# Altium PCB PCB-ZB206B-0B.PcbDoc (part 1 of 7) (continued)
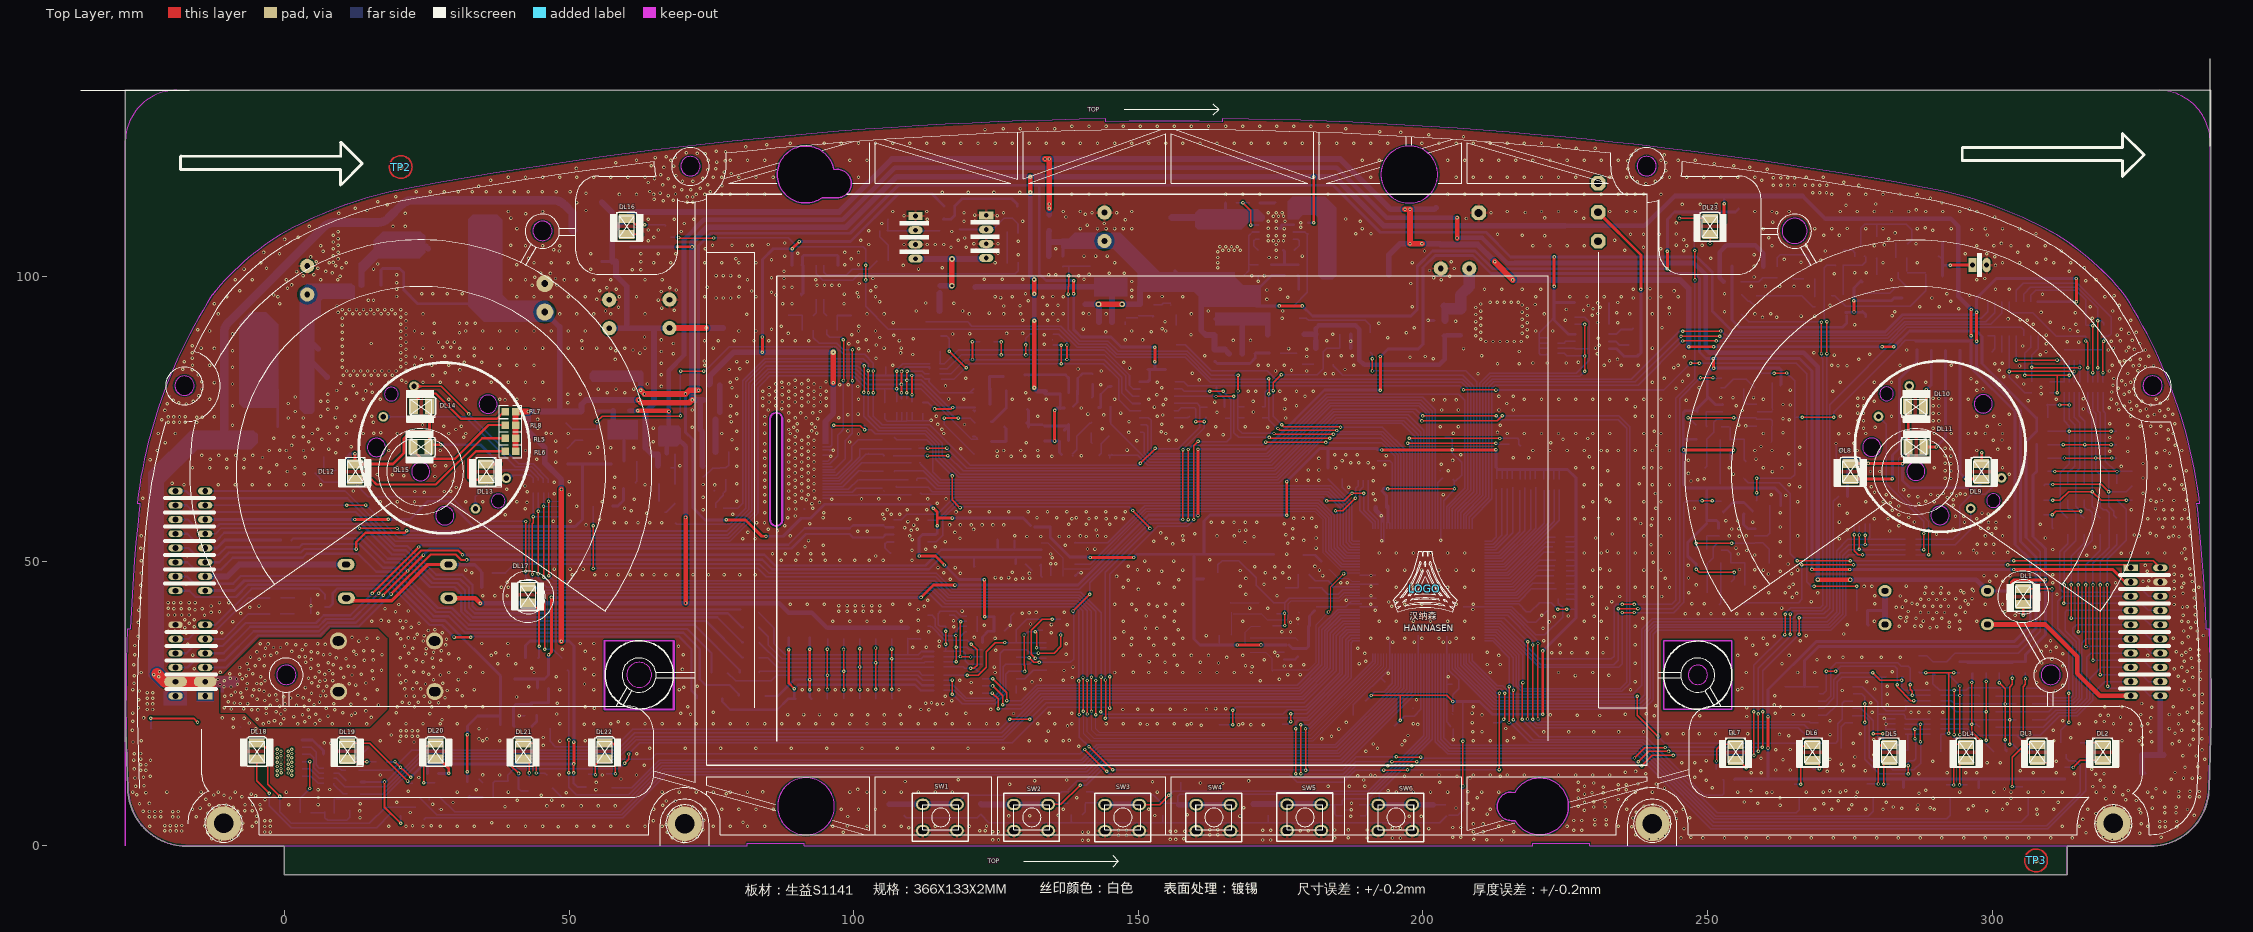
[diagram p0: Top Layer view]
## Components (designator, comment, footprint, x,y, rotation, side; value= is the part's Value field where it differs from the comment) (continued)
L302 "33uH" Ind-R13-7-100 156.39,111.04 r270 bottom locked
LOGO "TP" LOGO 200.33,45.2 r0 top
M1 "METER" METER2 37.56,60.62 r135 bottom locked
M2 "METER" METER2 300.26,60.67 r135 bottom locked
Q1 "DTC143" SOT23 44.31,22.91 r180 bottom
Q2 "DTC143" SOT23 66.76,58.58 r180 bottom
Q3 "DTC143" SOT23 59.55,62.79 r90 bottom
Q4 "dtc143" SOT-23 256.47,79.87 r180 bottom
Q5 "dtc143" SOT-23 256.304,58.28 r180 bottom
Q6 "BCX53" SOT89 255.82,99.09 r180 bottom
Q7 "PMBT5551" SMT3 283.19,98.27 r0 bottom
Q8 "NTF2955T1G" SOT-223#1 147.69,92.06 r180 bottom
Q9 "PMBT5551" SMT3 268.84,99.68 r180 bottom
Q10 "MMBT5401" SMT3 285.12,105.67 r180 bottom
Q11 "PMBT5551" SOT23 274.71,66.11 r180 bottom
Q12 "PMBT5551" SOT23 9.073,66.002 r90 bottom
Q13 "DTC143" SOT23 143.06,76.96 r180 bottom
Q14 "BCX53" SOT89 139.26,79.35 r180 bottom
Q15 "PMBT5551" SMT3 277.8,103.54 r180 bottom
Q16 "DTC143" SOT23 143.02,68.56 r180 bottom
Q17 "BCX53" SOT89 139.19,71.12 r180 bottom
Q18 "DTC143EKA" SMT3 49.657,30.988 r180 bottom
Q19 "DTB143" SOT23 77.53,64.39 r180 bottom
Q20 "DTC143EK" SOT23 178.308,92.71 r180 bottom
Q21 "NTF2955T1G" SOT-223#2 78.01,69.22 r180 bottom
Q22 "DTC143EK" SOT23 156.67,93.32 r180 bottom
Q23 "DTC143EKA" SMT3 24.45,4.62 r180 bottom
Q24 "DTC143EKA" SMT3 67.93,106.88 r180 bottom
Q25 "DTC143EKA" SMT3 23.75,8.48 r180 bottom
Q26 "NTF2955T1G" SOT-223#1 170.558,86.457 r180 bottom
Q27 "DTC143EK" SOT23 178.765,84.582 r180 bottom
Q28 "DTC143EKA" SMT3 27.31,8.56 r180 bottom
Q29 "DTC143EKA" SMT3 252.84,11.55 r180 bottom
Q30 "DTC143EKA" SMT3 266.05,8.54 r180 bottom
Q31 "DTC143EKA" SMT3 47,10.19 r180 bottom
Q32 "DTC143EKA" SMT3 279.13,8.58 r180 bottom
Q33 "DTC143EKA" SMT3 57.96,10.3 r180 bottom
Q34 "DTC143EKA" SMT3 292.7,8.38 r180 bottom
Q35 "DTC143EKA" SMT3 247.71,107.83 r180 bottom
Q36 "DTC143EKA" SMT3 306.35,8.4 r180 bottom
Q37 "DTC143EKA" SMT3 316.42,16.09 r180 bottom
Q38 "DTC143EKA" SMT3 313.04,16.09 r180 bottom
Q39 "BCX53" SOT89 68.61,68.75 r180 bottom
R1 "1K" CR1206 37.44,29.69 r0 bottom
R2 "0/NC" CR1206 64.92,77.68 r0 bottom
R3 "10K" CR0805#1 136.99,47.44 r0 bottom
R4 "10K" CR0805#1 185.81,64.48 r90 bottom
R5 "120/NC" CR0805#1 117.7,50.36 r90 bottom
R6 "120/NC" CR0805#1 93.802,54.336 r90 bottom
R7 "4.7K" CR0805#1 44.67,27.74 r0 bottom
R8 "120" CR1206 123.91,80.02 r180 bottom
R9 "10K" CR0805#1 217.19,70.14 r270 bottom
R10 "10K" CR0805#1 214.66,70.14 r270 bottom
R11 "10K" CR0805#1 108.8,5.42 r90 bottom
R12 "1" CR0805#1 -0.72,40.76 r180 bottom
R13 "1" CR0805#1 -0.71,43.59 r180 bottom
R14 "10K" CR0805#1 258.51,80.34 r90 bottom
R15 "10K" CR0805#1 122.31,5.52 r90 bottom
R16 "4.7K" CR1206 65.79,63.53 r0 bottom
R17 "0" CR1206 57.77,76.44 r0 bottom
R18 "472/NC" CR1206 54.97,76.42 r180 bottom
R19 "120" CR1206 123.91,77.18 r180 bottom
R20 "120" CR1206 123.93,74.34 r180 bottom
R21 "4.7K" CR0805#1 252.53,80.3 r90 bottom
R22 "1E-2W" R2512 172.695,89.789 r0 bottom
R23 "200" CR0805#1 44.22,33.05 r180 bottom
R24 "47K" CR0805#1 263.28,81.37 r180 bottom
R25 "1E-2W" R2512 121.437,97.155 r180 bottom
R26 "27K" CR0805#1 249.89,71.45 r180 bottom
R27 "10K" CR0805#1 115.062,92.08 r90 bottom
R28 "4.7K" CR0805#1 261.39,78.82 r0 bottom
R29 "30" CR0805#1 6.83,16.17 r0 bottom
R30 "120" CR1206 123.91,71.5 r180 bottom
R31 "10K" CR0805#1 204.02,7.25 r270 bottom
R32 "10K" CR0805#1 2.81,6.01 r0 bottom
R33 "4.7K" CR0805#1 178.18,36.08 r0 bottom
R34 "4.7K" CR0805#1 171.77,38.57 r0 bottom
R35 "4.7K" CR0805#1 178.18,33.22 r0 bottom
R36 "47K" CR0805#1 -17.82,8.74 r90 bottom
R37 "4.7K" CR0805#1 173.99,30.76 r180 bottom
R38 "1K" CR0805#1 4.7,8.505 r180 bottom
R39 "15K" CR0805#1 249.92,73.94 r180 bottom
R40 "302/NC" CR0805#1 52.32,68.98 r270 bottom
R41 "6.8K" CR0805#1 249.91,66.39 r180 bottom
R42 "10K" CR0805#1 172.8,7.32 r270 bottom
R43 "10K" CR0805#1 164.57,21.21 r180 bottom
R44 "47K" CR0805#1 289.611,30.457 r90 bottom
R45 "4.7K" CR0805#1 112.649,93.975 r270 bottom
R46 "39K" CR0805#1 263.27,71.32 r180 bottom
R47 "10K" CR0805#1 248.04,76.46 r0 bottom
R48 "15K" CR0805#1 254.12,71.67 r180 bottom
R49 "102" CR2010 88.58,36.59 r90 bottom
R50 "10K" CR0805#1 254.15,68.19 r180 bottom
R51 "47K" CR0805#1 95.41,36.39 r90 bottom
R52 "47K" CR0805#1 98.226,36.39 r90 bottom
R53 "201" CR0805#1 182.17,49.97 r315 bottom
R54 "4.7K" CR0805#1 179.97,47.72 r180 bottom
R55 "200" CR0805#1 18.5,5.29 r0 bottom
R56 "10K" CR0805#1 138.26,5.48 r0 bottom
R57 "302" CR0805#1 136.49,68.79 r0 bottom
R58 "332" CR0805#1 164.23,36.98 r0 bottom
R59 "10K" CR1206 80.49,41.01 r0 bottom
R60 "10K" CR1206 80.49,38.42 r0 bottom
R61 "10K" CR1206 80.49,35.79 r0 bottom
R62 "0/NC" CR1206 163.359,89.747 r90 bottom
R63 "10K" CR1206 80.49,33.07 r0 bottom
R64 "10K" CR1206 80.49,30.46 r0 bottom
R65 "10K" CR1206 75,30.46 r0 bottom
R66 "120" CR0805#1 7.14,41.98 r90 bottom
R67 "4.7K" CR0805#1 187.291,87.448 r180 bottom
R68 "102" CR2010 79.94,25.9 r0 bottom
R69 "102" CR2010 72.48,25.9 r0 bottom
R70 "39K" CR0805#1 258.37,71.67 r180 bottom
R71 "47K" CR0805#1 292.024,30.457 r90 bottom
R72 "47K" CR0805#1 103.858,36.39 r90 bottom
R73 "10K" CR0805#1 154.29,5.38 r90 bottom
R74 "200" CR0805#1 60.78,107.15 r270 bottom
R75 "4.7K" CR0805#1 272.96,61.31 r0 bottom
R76 "4.7K" CR0805#1 5.27,65.69 r0 bottom
R77 "47K" CR0805#1 106.674,36.39 r90 bottom
R78 "4.7K" CR0805#1 274.85,63.84 r180 bottom
R79 "4.7K" CR0805#1 7.15,68.24 r180 bottom
R80 "241" R-3W#1 10.85,43.52 r0 bottom
R81 "302" CR0805#1 136.69,77.2 r0 bottom
R82 "47K" CR0805#1 109.47,36.44 r90 bottom
R83 "303" CR0805#1 34.65,47.96 r0 bottom
R84 "271" CR0805#1 141.79,82.94 r270 bottom
R85 "241" R-3W#1 10.81,49.44 r0 bottom
R86 "NC" CR1206 133.76,79.91 r90 bottom
R87 "10K" CR0805#1 158.78,75.62 r270 bottom
R88 "10K" CR0805#1 273.48,16.68 r180 bottom
R89 "10K" CR0805#1 301.82,86.75 r180 bottom
R90 "10K" CR0805#1 133.79,30.86 r0 bottom
R91 "47K" CR0805#1 301.295,30.457 r90 bottom
R92 "47K" CR0805#1 299.009,30.457 r90 bottom
R93 "10K" CR0805#1 258.28,58.64 r90 bottom
R94 "47K" CR0805#1 303.581,30.457 r90 bottom
R95 "4.7K" CR0805#1 40.71,47.96 r180 bottom
R96 "4.7K" CR0805#1 252.45,58.68 r90 bottom
R97 "332" CR0805#1 46.4,23.24 r90 bottom
R98 "47K" CR0805#1 262.88,59.81 r180 bottom
R99 "27K" CR0805#1 249.92,49.58 r180 bottom
R100 "4.7K" CR0805#1 260.93,57.3 r0 bottom
R101 "15K" CR0805#1 249.91,52.11 r180 bottom
R102 "10K" CR0805#1 163.399,85.297 r90 bottom
R103 "6.8K" CR0805#1 249.92,44.49 r180 bottom
R104 "10K" CR0805#1 183.101,87.438 r180 bottom
R105 "0" CR0805#1 172.999,86.587 r0 bottom
R106 "39K" CR0805#1 262.79,49.68 r180 bottom
R107 "10K" CR0805#1 248.04,54.64 r0 bottom
R108 "102" CR2010 92.29,36.59 r90 bottom
R109 "101" R-3W#2 281.19,44.81 r0 bottom
R110 "4.7K" CR0805#1 67.48,66.37 r180 bottom
R111 "101" R-3W#2 299.19,38.9 r180 bottom
R112 "47K" CR0805#1 305.867,30.457 r90 bottom
R113 "47K" CR0805#1 294.31,30.457 r90 bottom
R114 "3K" CR0805#1 277.15,97.2 r90 bottom
R115 "10K" CR0805#1 259.78,101.75 r270 bottom
R116 "821" CR0805#1 262.3,101.74 r270 bottom
R117 "10" CR0805#1 285.17,100.76 r180 bottom
R118 "202" CR0805#1 258.51,96.68 r270 bottom
R119 "473/NC" CR0805#1 309.113,60.706 r180 bottom
R120 "473/NC" CR0805#1 309.753,68.148 r180 bottom
R121 "473/NC" CR0805#1 309.113,63.246 r180 bottom
R122 "473/NC" CR0805#1 309.753,65.786 r180 bottom
R123 "47K" CR0805#1 309.753,72.873 r180 bottom
R124 "47K" CR0805#1 309.753,75.235 r180 bottom
R125 "47K" CR0805#1 309.113,58.166 r180 bottom
R126 "47K" CR0805#1 309.753,70.51 r180 bottom
R127 "303" CR0805#1 278.14,41.37 r180 bottom
R128 "271" CR0805#1 141.72,72.58 r90 bottom
R129 "15K" CR0805#1 254.25,49.9 r180 bottom
R130 "10K" CR0805#1 179.832,109.474 r270 bottom
R131 "47K" CR0805#1 -10.24,18.96 r90 bottom
R132 "NC" CR1206 133.71,71.19 r90 bottom
R133 "NC" CR1206 73.69,78.27 r0 bottom
R134 "10K" CR0805#1 73.45,66.73 r270 bottom
R135 "0" CR0805#1 77.38,59.74 r180 bottom
R136 "NC" CR0805#1 75.45,62.27 r0 bottom
R137 "10K" CR0805#1 254.17,46.37 r180 bottom
R138 "0" CR0805#1 109.6,61.92 r0 bottom
R139 "10K" CR0805#1 210.37,21.64 r0 bottom
R140 "303" CR0805#1 34.74,8.55 r0 bottom
R141 "4.7K" CR0805#1 34.79,11.08 r0 bottom
R142 "10K" cr0805 183.32,64.48 r90 bottom
R143 "303" CR0805#1 52.34,71.28 r90 bottom
R144 "4.7K" CR0805#1 54.86,71.28 r90 bottom
R145 "10K" CR1206 32.09,11.28 r270 bottom
R146 "10K" CR1206 49.7,67.09 r90 bottom
R147 "4.7K" CR0805#1 7.08,5.99 r0 bottom
R148 "0" CR0805#1 105.212,62.78 r0 bottom
R149 "0" CR0805#1 109.56,64.55 r0 bottom
R150 "39K" CR0805#1 258.46,49.9 r180 bottom
R151 "120" CR0805#1 -0.67,53.72 r0 bottom
R152 "0" CR0805#1 105.212,65.823 r0 bottom
R153 "0" CR0805#1 109.57,67.22 r0 bottom
R154 "0" CR0805#1 105.19,68.58 r0 bottom
R155 "0" CR0805#1 109.55,69.9 r0 bottom
R156 "0" CR0805#1 105.17,71.25 r0 bottom
R157 "102" CR0805#1 268.91,94.75 r90 bottom
R158 "10K" CR0805#1 274.18,96.84 r180 bottom
R159 "102" CR0805#1 266.4,96.67 r270 bottom
R160 "10K" CR0805#1 136.728,101.727 r90 bottom
R161 "4.7K" CR0805#1 143.454,101.827 r180 bottom
R162 "0/NC" CR0805#1 169.51,112.98 r0 bottom
R163 "301K" CR0805#1 168.656,100.308 r180 bottom
R164 "10" CR0805#1 283.28,103.31 r0 bottom
R165 "271" CR0805#1 264.79,101.74 r270 bottom
R166 "47K" CR0805#1 296.596,30.457 r90 bottom
R167 "152/NC" CR0805#1 272.33,99.39 r0 bottom
R168 "47K" CR0805#1 101.042,36.39 r90 bottom
R169 "0/NC" CR1206 140.5,95.17 r90 bottom
R170 "0" CR0805#1 272,104.52 r0 bottom
R171 "10K" CR0805#1 150.19,93.17 r90 bottom
R172 "200" CR0805#1 16.07,14.77 r0 bottom
R173 "4.7K" CR0805#1 278.14,43.95 r180 bottom
R174 "0" CR0805#1 152.72,93.18 r90 bottom
R175 "10K" CR0805#1 175.23,21.21 r180 bottom
R176 "0/NC" CR1206 134.366,110.877 r270 bottom
R177 "4R7" CR1206 203.708,89.662 r180 bottom
R178 "0/NC" CR1206 203.708,94.869 r180 bottom
R179 "22K" CR0805#1 171.069,100.208 r90 bottom
R180 "200" CR0805#1 27.02,12.72 r180 bottom
R181 "200" CR0805#1 254.89,13.74 r270 bottom
R182 "10K" CR1206 305.886,27.686 r180 bottom
R183 "10K" CR1206 300.609,26.289 r180 bottom
R184 "200" CR0805#1 268.34,13.83 r270 bottom
R185 "200" CR0805#1 42.73,11.51 r270 bottom
R186 "10K" CR1206 307.086,24.934 r180 bottom
R187 "10K" CR1206 300.609,23.571 r180 bottom
R188 "200" CR0805#1 282.51,10.24 r0 bottom
R189 "200" CR0805#1 52.95,12.47 r270 bottom
R190 "10K" CR1206 307.086,22.183 r180 bottom
R191 "10K" CR1206 300.609,20.803 r180 bottom
R192 "200" CR0805#1 295.77,10.22 r0 bottom
R193 "200" CR0805#1 250.36,107.82 r90 bottom
R194 "301K" CR0805#1 173.389,100.208 r90 bottom
R195 "0" CR0805#1 175.519,104.648 r0 bottom
R196 "21.5K" CR0805#1 178.054,102.108 r270 bottom
R197 "0" CR0805#1 178.181,97.79 r180 bottom
R198 "10K" CR1206 307.086,19.431 r180 bottom
R199 "10K" CR1206 287.147,33.407 r270 bottom
R200 "200" CR0805#1 309.88,13.67 r270 bottom
R201 "10K" CR1206 321.921,60.827 r90 bottom
R202 "200" CR0805#1 312.77,13.78 r270 bottom
R203 "10K" CR1206 321.921,54.737 r90 bottom
R204 "200" CR0805#1 305.37,42.82 r90 bottom
R205 "10K" CR1206 319.05,60.827 r90 bottom
R206 "10K" CR1206 319.05,54.737 r90 bottom
R207 "10K" CR1206 316.18,60.827 r90 bottom
R208 "10K" CR1206 316.18,54.737 r90 bottom
R209 "10K" CR1206 313.309,60.827 r90 bottom
R210 "0" CR0805#1 128.86,107.62 r180 bottom
R211 "75" CR0805#1 127.02,105.08 r0 bottom
R212 "0" CR0805#1 105.99,108 r180 bottom
R213 "75" CR0805#1 105.98,105.46 r180 bottom
R214 "10K" CR1206 313.309,54.737 r90 bottom
R231 "75" CR0805#1 99.58,93.22 r270 bottom
R232 "75" CR0805#1 88.53,93.22 r270 bottom
R233 "75" CR0805#1 91,93.16 r0 bottom
R234 "75" CR0805#1 95.22,93.17 r0 bottom
RL1 "201" CR0805#1 286.71,88.8 r270 bottom
RL2 "201" CR0805#1 294.26,88.8 r270 bottom
RL3 "201" CR0805#1 289.227,88.8 r270 bottom
RL4 "201" CR0805#1 291.743,88.8 r270 bottom
RL5 "201" CR0805#1 40.65,71.64 r180 top
RL6 "201" CR0805#1 40.65,69.35 r180 top
RL7 "201" CR0805#1 40.65,76.26 r180 top
RL8 "201" CR0805#1 40.65,73.94 r180 top
RP1 "103*4" R4 190.4,64.2 r90 bottom
RP2 "472*4" R4 213,64.47 r270 bottom
RP3 "472*4" R4 223.719,89.235 r180 bottom
RP4 "472*4" R4 217.09,64.44 r270 bottom
RP5 "472*4" R4 312.67,87.16 r270 bottom
RP6 "303*4" R4 290.95,27.33 r180 bottom
RP8 "303*4" R4 290.95,22.28 r180 bottom
RP9 "472*4" R4 283,24.67 r0 bottom
RP10 "472*4" R4 282.98,19.63 r0 bottom
RP11 "10*4" R4 46.38,62.04 r90 bottom
RP12 "10*4" R4 284.75,51.14 r0 bottom
RP14 "472*4" R4 225.18,46.04 r180 bottom
RP15 "303*4" R4 319.492,79.697 r90 bottom
RP17 "303*4" R4 315.352,79.697 r90 bottom
RP18 "472*4" R4 316.79,87.18 r270 bottom
RP19 "303*4" R4 8.65,13.68 r180 bottom
RP21 "303*4" R4 115.82,34.16 r180 bottom
RP22 "303*4" R4 115.82,30.02 r180 bottom
RP23 "472*4" R4 121.68,40.36 r180 bottom
RP24 "472*4" R4 135.65,35.69 r180 bottom
RP25 "303*4" R4 115.13,84.81 r180 bottom
RP26 "103*4" R4 107.54,78.01 r270 bottom
RP27 "472*4" R4 225.16,50.16 r180 bottom
RP28 "472*4" R4 221.29,64.44 r270 bottom
RP30 "472*4" R4 225.12,54.32 r180 bottom
SW1 "SW" Switch-1 112.142,7.287 r180 top locked
SW2 "SW" Switch-1 128.152,7.277 r180 top locked
SW3 "SW" Switch-1 144.152,7.257 r180 top locked
SW4 "SW" Switch-1 160.192,7.237 r180 top locked
SW5 "SW" Switch-1 176.142,7.297 r180 top locked
SW6 "SW" Switch-1 192.142,7.247 r180 top locked
TP1 "TP" MARK 307.722,-2.553 r180 bottom
TP2 "TP" MARK 20.402,119.277 r0 top
TP3 "TP" MARK 307.722,-2.553 r0 top
TP4 "TP" MARK 20.402,119.277 r180 bottom
TP6 "TP" TP 101.829,73.965 r90 bottom
TP14 "TP" TP 99.78,74.74 r90 bottom
TP15 "TP" TP 97.655,72.615 r90 bottom
TP20 "TP" TP 102.94,61.77 r90 bottom
TP21 "TP" TP 101.46,62.83 r90 bottom
TP22 "TP" TP 100.77,64.36 r90 bottom
TP23 "TP" TP 101.46,65.89 r90 bottom
TP24 "TP" TP 103.01,67.23 r90 bottom
TP25 "TP" TP 102.49,68.78 r90 bottom
TP26 "TP" TP 101.03,69.78 r90 bottom
TP27 "TP" TP 102.97,71.49 r90 bottom
TP60 "" TP 115.189,103.1 r270 bottom
TP61 "" TP 196.342,87.298 r270 bottom
TP62 "" TP 168.275,97.663 r270 bottom
TP141 "" TP 118.68,108.37 r270 bottom
TP142 "" TP 106.07,110.14 r270 bottom
U1 "TJA1042T+118" SO-8 138.907,53.268 r180 bottom
U2 "TJA1042T+118" SO-8 112.984,57.245 r180 bottom
U3 "78M09/NC" DPAK 206.629,89.742 r180 bottom
U4 "LM2576D2T-005G" SOT-263-5 11.82,98.51 r90 bottom
U5 "HC4051" SO-16 156.31,81.55 r180 bottom
U6 "IMP706ESA/T" SO-8 176.06,36.568 r180 bottom
U7 "M41T00" SO-8 232.729,89.895 r180 bottom
U8 "AT24C02" SO-8 232.699,95.455 r180 bottom
U9 "BTT6050" "PG-DSO-14 -40" 3.09,18.63 r180 bottom
U10 "MC9S12XHZ256" LQFP-144 208.65,33.76 r90 bottom locked
U11 "TC1047A" SOT23 192.024,69.596 r270 bottom
U12 "BTS4140" SOT-223#2 61.91,67.4 r180 bottom
U13 "DSO751S" SMD-CYC 173.3,55.3 r0 bottom
U15 "LM2904" SO-8 258.67,77.51 r180 bottom
U16 "Auips2051" SOT-223#1 40.22,20.72 r180 bottom
U17 "HC4051" SO-16 275.48,27.99 r180 bottom
U18 "HC4051" SO-16 308.092,89.607 r90 bottom
U19 "LM2904" SO-8 258.33,55.73 r180 bottom
U20 "HC4051" SO-16 128.58,35.71 r180 bottom
U21 "FMS6143" SO-8 93.43,102 r270 bottom
U300 "MP24943" SOIC8E 174.25,108.49 r180 bottom
YC2 "32.768KHz" "SM CYC NX3215SA" 236.089,87.865 r90 bottom

## Footprints (in the part's own frame and the unit in brackets; to place one, negate y for a bottom-side part, rotate by r counter-clockwise, add the part's x,y. Pads: shape width x height; smd on the part's side, far side on the other; paste and mask are expansions set on the pad)
10uF/25V [mm]
  rect 1.6x2.6 smd: 1(0,0) 2(3,0)
  silkscreen extent -1.92,-1.8 4.47,1.83
"AMP DIP20" [mm]
  rect 1.2x2.5 hole 1: 1(0,0)
  oval 1.2x2.5 hole 1: 2(0,-5.2) 3(2.5,0) 4(2.5,-5.2) 5(5,0) 6(5,-5.2) 7(7.5,0) 8(7.5,-5.2) 9(10,0) 10(10,-5.2) 11(12.5,0) 12(12.5,-5.2) 13(15,0) 14(15,-5.2) 15(17.5,0) 16(17.5,-5.2) 17(20,0) 18(20,-5.2) 19(22.5,0) 20(22.5,-5.2)
  silkscreen extent -7.5,-8.15 29.96,8.85, body extent -7.52,-8.17 30,8.85, height 19.2
"AMP DIP28" [mm]
  rect 1.2x2.5 hole 1: 1(0.229,-8.85)
  oval 1.2x2.5 hole 1: 2(0.229,-14.05) 3(2.729,-8.85) 4(2.729,-14.05) 5(5.229,-8.85) 6(5.229,-14.05) 7(7.729,-8.85) 8(7.729,-14.05) 9(10.229,-8.85) 10(10.229,-14.05) 11(12.729,-8.85) 12(12.729,-14.05) 13(18.729,-8.85) 14(18.729,-14.05) 15(21.229,-8.85) 16(21.229,-14.05) 17(23.729,-8.85) 18(23.729,-14.05) 19(26.229,-8.85) 20(26.229,-14.05) 21(28.729,-8.85) 22(28.729,-14.05) 23(31.229,-8.85) 24(31.229,-14.05) 25(33.729,-8.85) 26(33.729,-14.05) 27(36.229,-8.85) 28(36.229,-14.05)
  silkscreen extent -7.27,-17 43.73,0, body extent -7.29,-17.02 43.76,0.01, height 19.2
"Battery 3" [mm]
  oct 2.5x2.5 hole 1.4: 1(0,0) 2(21,-0.1) 3(0,5.1) 4(0,-5.1)
  silkscreen extent -3.88,-10.55 21,10.45, body extent -1.51,-10.25 22.46,10.32, height 8.6
C4 [mm]
  rect 1.1x0.5 smd: 1(0,0) 2(0,-0.9) 3(0,-1.8) 4(0,-2.7) 5(1.8,-2.7) 6(1.8,-1.8) 7(1.8,-0.9) 8(1.8,0)
  silkscreen extent -0.95,-3.2 2.65,0.7, body extent -0.27,-3.09 2.05,0.61, height 0.9
CE1206 [mm]
  rect 1.8x1.6 smd: 1(0,0) 2(3,0)
  silkscreen extent -1.7,-1.27 4.5,1.27, body extent -0.43,-0.8 3.4,0.8, height 1.8
CR0805#1 [mm]
  rect 1.3x1.3 smd: 1(0,0) 2(1.9,0)
  silkscreen extent -1.05,-1.15 2.95,1.15, body extent -0.18,-0.75 2.1,0.75, height 1
CR0805#2 [mm]
  rect 1.3x1.3 smd: 1(0,0) 2(2.1,0)
  silkscreen extent -1.05,-1.15 3.15,1.15, body extent -0.08,-0.75 2.2,0.75, height 1
cr0805 [mm]
  rect 1.3x1.3 smd: 1(0,0) 2(1.9,0)
  silkscreen extent -1.05,-1.15 2.95,1.15, body extent -0.18,-0.75 2.1,0.75, height 1
CR1206 [mm]
  rect 1.6x1.8 smd: 1(0,0) 2(2.8,0)
  silkscreen extent -1.2,-1.3 4,1.3, body extent -0.81,-1.23 3.61,1.22, height 1.4
CR2010 [mm]
  rect 1.8x2.7 smd: 1(0,0) 2(4.4,0)
  silkscreen extent -1.3,-1.75 5.7,1.75, body extent -0.18,-1.35 4.57,1.35, height 1.4
D-17 [mm]
  round 3 hole 1.6 slot 2 at 0 deg: 1(8.468,-0.065) 2(-8.442,-0.065)
  silkscreen extent -9.06,-4.51 9.08,4.36
"DIP 1X2 2.5mm" [mm]
  rect 1.4x2.5 hole 0.85: 1(0,0)
  oval 1.4x2.5 hole 0.85: 2(2.5,0)
  silkscreen extent -2.5,-2.35 5,3.35, body extent -2.62,-2.46 5.11,3.45, height 7
"DIP 1X4 2.5mm" [mm]
  rect 1.4x2.5 hole 0.85: 1(0,0)
  oval 1.4x2.5 hole 0.85: 2(2.5,0) 3(5,0) 4(7.5,0)
  silkscreen extent -2.5,-2.35 10,3.35, body extent -2.62,-2.46 10,3.45, height 7
"DIP 2X3 2.54mm" [mm]
  rrect50% 5x1.6 smd: 1(-1.75,0) 2(-1.75,-2.5) 3(-1.75,-5) 4(4.25,-5) 5(4.25,-2.5) 6(4.25,0)
  silkscreen extent -1.37,-6.1 3.89,1.3, body extent -1.2,-6.1 3.7,1.3, height 8.5
DPAK [mm]
  rect 3x1.6 smd: 1(0,0) 3(0,4.6)
  rect 6.2x5.8 smd: 2(-7.18,2.3)
  silkscreen extent -11.18,-1.12 -3.2,5.78, body extent -10.19,-0.94 -0.28,5.59, height 2.2
FPC-22P [mm]
  rect 0.25x1.6 smd: 1(-5.25,1.638) 10(-0.75,1.638) 20(4.25,1.638)
  oval 0.25x1.6 smd: 2(-4.75,1.638) 3(-4.25,1.638) 4(-3.75,1.638) 5(-3.25,1.638) 6(-2.75,1.638) 7(-2.25,1.638) 8(-1.75,1.638) 9(-1.25,1.638) 11(-0.25,1.638) 12(0.25,1.638) 13(0.75,1.638) 14(1.25,1.638) 15(1.75,1.638) 16(2.25,1.638) 17(2.75,1.638) 18(3.25,1.638) 19(3.75,1.638) 21(4.75,1.638) 22(5.25,1.638)
  rect 2x1.45 smd: 23(7.175,-1.637) 24(-7.175,-1.637)
  silkscreen extent -7.75,-5.11 7.75,1.94, body extent -7.96,-2.14 5.38,1.66, height 1
Ind-Q07-3-022 [mm]
  rect 2.5x2.2 smd paste+0: 1(0,0) 2(5.5,0)
  silkscreen extent -0.5,-3.25 6,3.25, body extent -0.6,-3.35 6.1,3.35, height 3
Ind-R13-7-100 [mm]
  rrect50% 6x12.7 smd: 1(0,0) 2(10,0)
  silkscreen extent -1.5,-6.5 11.5,6.5, body extent -1.57,-6.63 11.56,6.62, height 7
LED1210 [mm]
  rect 1.6x2.7 smd: 1(2.8,0) 2(0,0)
  silkscreen extent -1.2,-2.9 4,2.9, body extent -0.32,-1.65 3.14,1.65, height 0.65
LOGO [mm]
  silkscreen extent -5.56,-4.16 5.69,6.58
LQFP-144 [mm]
  rect 2x0.25 smd: 1(0,0) 2(0,-0.5) 3(0,-1) 4(0,-1.5) 5(0,-2) 6(0,-2.5) 7(0,-3) 8(0,-3.5) 9(0,-4) 10(0,-4.5) 11(0,-5) 12(0,-5.5) 13(0,-6) 14(0,-6.5) 15(0,-7) 16(0,-7.5) 17(0,-8) 18(0,-8.5) 19(0,-9) 20(0,-9.5) 21(0,-10) 22(0,-10.5) 23(0,-11) 24(0,-11.5) 25(0,-12) 26(0,-12.5) 27(0,-13) 28(0,-13.5) 29(0,-14) 30(0,-14.5) 31(0,-15) 32(0,-15.5) 33(0,-16) 34(0,-16.5) 35(0,-17) 36(0,-17.5) 73(22,-17.5) 74(22,-17) 75(22,-16.5) 76(22,-16) 77(22,-15.5) 78(22,-15) 79(22,-14.5) 80(22,-14) 81(22,-13.5) 82(22,-13) 83(22,-12.5) 84(22,-12) 85(22,-11.5) 86(22,-11) 87(22,-10.5) 88(22,-10) 89(22,-9.5) 90(22,-9) 91(22,-8.5) 92(22,-8) 93(22,-7.5) 94(22,-7) 95(22,-6.5) 96(22,-6) 97(22,-5.5) 98(22,-5) 99(22,-4.5) 100(22,-4) 101(22,-3.5) 102(22,-3) 103(22,-2.5) 104(22,-2) 105(22,-1.5) 106(22,-1) 107(22,-0.5) 108(22,0)
  rect 0.25x2 smd: 37(2.25,-19.75) 38(2.75,-19.75) 39(3.25,-19.75) 40(3.75,-19.75) 41(4.25,-19.75) 42(4.75,-19.75) 43(5.25,-19.75) 44(5.75,-19.75) 45(6.25,-19.75) 46(6.75,-19.75) 47(7.25,-19.75) 48(7.75,-19.75) 49(8.25,-19.75) 50(8.75,-19.75) 51(9.25,-19.75) 52(9.75,-19.75) 53(10.25,-19.75) 54(10.75,-19.75) 55(11.25,-19.75) 56(11.75,-19.75) 57(12.25,-19.75) 58(12.75,-19.75) 59(13.25,-19.75) 60(13.75,-19.75) 61(14.25,-19.75) 62(14.75,-19.75) 63(15.25,-19.75) 64(15.75,-19.75) 65(16.25,-19.75) 66(16.75,-19.75) 67(17.25,-19.75) 68(17.75,-19.75) 69(18.25,-19.75) 70(18.75,-19.75) 71(19.25,-19.75) 72(19.75,-19.75) 109(19.75,2.25) 110(19.25,2.25) 111(18.75,2.25) 112(18.25,2.25) 113(17.75,2.25) 114(17.25,2.25) 115(16.75,2.25) 116(16.25,2.25) 117(15.75,2.25) 118(15.25,2.25) 119(14.75,2.25) 120(14.25,2.25) 121(13.75,2.25) 122(13.25,2.25) 123(12.75,2.25) 124(12.25,2.25) 125(11.75,2.25) 126(11.25,2.25) 127(10.75,2.25) 128(10.25,2.25) 129(9.75,2.25) 130(9.25,2.25) 131(8.75,2.25) 132(8.25,2.25) 133(7.75,2.25) 134(7.25,2.25) 135(6.75,2.25) 136(6.25,2.25) 137(5.75,2.25) 138(5.25,2.25) 139(4.75,2.25) 140(4.25,2.25) 141(3.75,2.25) 142(3.25,2.25) 143(2.75,2.25) 144(2.25,2.25)
  silkscreen extent 0.53,-18.7 21,1.66, body extent -0.15,-19.9 22.15,2.4, height 1.8
MARK [mm]
  round 1 smd: 1(0,0)
  Top Layer circle w0.254: c0.003,0 r2
METER2 [mm]
  round 1.7 hole 0.9: 1(1.829,3.797) 2(1.854,-3.823) 3(24.74,-3.848) 4(24.714,3.772)
  Keep-Out Layer circle w0.127: c0.004,-0.025 r1.2
  Keep-Out Layer circle w0.127: c26.564,-0.025 r1.2
  Keep-Out Layer circle w0.127: c13.287,-6.016 r1.6
  Keep-Out Layer circle w0.127: c13.287,10.734 r1.6
  Keep-Out Layer circle w0.127: c21.777,-8.506 r1.6
  Keep-Out Layer circle w0.127: c4.797,-8.506 r1.6
  silkscreen extent -2.56,-15.01 29.13,14.98, body extent -1.68,-15 28.34,14.27, height 9.3
"PG-DSO-14 -40" [mm]
  rect 1.8x0.5 smd: 1(0,0)
  oval 1.8x0.5 smd: 2(0,-1.27) 3(0,-2.54) 4(0,-3.81) 5(0,-5.08) 6(0,-6.35) 7(0,-7.62) 8(6,-7.62) 9(6,-6.35) 10(6,-5.08) 11(6,-3.81) 12(6,-2.54) 13(6,-1.27) 14(6,0)
  rect 2.65x6.4 smd: 15(3.051,-3.81)
  silkscreen extent 1.12,-8.26 4.87,0.63, body extent 1.02,-8.2 4.97,0.75, height 1.4
R4 [mm]
  rect 1.1x0.5 smd: 1(0,0) 2(0,-0.9) 3(0,-1.8) 4(0,-2.7) 5(1.8,-2.7) 6(1.8,-1.8) 7(1.8,-0.9) 8(1.8,0)
  silkscreen extent -0.95,-3.2 2.65,0.7, body extent -0.27,-3.09 2.05,0.61, height 0.55
R2512 [mm]
  rect 1.2x3.5 smd: 1(0.025,0) 2(6.325,0)
  silkscreen extent -0.74,-1.8 7.09,1.8
R-3W#1 [mm]
  oval 3x2 hole 1 slot 1.4 at 0 deg: 1(0,0) 2(18,0)
  silkscreen extent 0,-2.85 18,2.85, body extent -0.5,-2.84 18.43,2.84, height 7.84
R-3W#2 [mm]
  oval 2.3x2 hole 1 slot 1.2 at 0 deg: 1(0,0) 2(18,0)
  silkscreen extent 0,-2.85 18,2.85, body extent -0.88,-2.86 18.82,2.82, height 7.84
RB5-1 [mm]
  round 2.5 hole 1: 1(0,0) 2(5,0)
  silkscreen extent -2.58,-5.2 7.8,5.18, body extent -2.6,-5.2 7.9,5.2, height 17.1
RB10 [mm]
  round 2.5 hole 1: 1(-3.023,0.051) 2(1.977,0.051)
  silkscreen extent -5.6,-5.15 4.76,5.23, body extent -5.61,-5.15 4.77,5.24, height 12.5
RB12.5 [mm]
  round 3 hole 1.2: 1(-0.051,-0.025) 2(4.949,-0.025)
  silkscreen extent -3.69,-6.17 8.59,6.17, body extent -3.7,-6.17 8.6,6.12, height 20
"SM CYC NX3215SA" [mm]
  rect 1.6x1.9 smd: 1(0,0) 2(2.854,0)
  silkscreen extent -0.93,-1.13 3.8,1.12, body extent -0.23,-0.81 3.02,0.81, height 0.9
SMA [mm]
  rect 1.8x2 smd: 1(0,0) 2(-4.241,0)
  silkscreen extent -4.78,-1.48 2.08,1.48, body extent -4.66,-1.3 0.37,1.29, height 2.95
SMB-D [mm]
  rect 3x2 smd: 1(-0.005,0.044) 2(-0.005,4.942)
  silkscreen extent -1.97,-0.3 1.96,5.36, body extent -1.83,-0.25 1.83,5.25, height 2.55
SMC [mm]
  rect 2.5x4 smd: 1(0,0) 2(-7.187,-0.025)
  silkscreen extent -8.04,-3.15 2.71,3.22, body extent -7.52,-3.08 0.53,3.1, height 2.55
SMC-D [mm]
  rect 2.5x4 smd: 1(0,0) 2(-7.187,-0.025)
  silkscreen extent -8.04,-3.15 0.56,3.22, body extent -7.52,-3.08 0.53,3.1, height 2.55
SMD-CYC [mm]
  rrect50% 2.2x2.2 smd: 1(0,-0.025)
  rect 2.2x2.2 smd: 2(5.75,-0.025) 3(5.725,4.2) 4(0,4.2)
  silkscreen extent -2.18,-1.38 7.15,5.65, body extent -1.1,-1.18 6.85,5.37, height 1.6
SMT3 [mm]
  rect 1x1 smd: 1(1.905,0) 2(0,0)
  rect 1x1.3 smd: 3(0.965,2.032)
  silkscreen extent -0.51,-0.13 2.41,2.16, body extent -0.51,-0.33 2.44,2.44, height 1.1
SO-8 [mm]
  rect 1.8x0.55 smd: 1(0,0)
  oval 1.8x0.55 smd: 2(0,-1.27) 3(0,-2.54) 4(0,-3.81) 5(6,-3.81) 6(6,-2.54) 7(6,-1.27) 8(6,0)
  silkscreen extent 1.12,-4.45 4.87,0.63, body extent 1.02,-4.55 4.97,0.72, height 1.4
SO-16 [mm]
  rect 1.8x0.5 smd: 1(0,0)
  oval 1.8x0.5 smd: 2(0,-1.27) 3(0,-2.54) 4(0,-3.81) 5(0,-5.08) 6(0,-6.35) 7(0,-7.62) 8(0,-8.89) 9(6,-8.89) 10(6,-7.62) 11(6,-6.35) 12(6,-5.08) 13(6,-3.81) 14(6,-2.54) 15(6,-1.27) 16(6,0)
  silkscreen extent 1.12,-9.53 4.87,0.63, body extent 1.02,-9.62 4.97,0.75, height 1.4
SOD323 [mm]
  rect 0.8x0.6 smd: 1(0,0) 2(2.3,0)
  silkscreen extent -1.14,-0.8 2.54,0.8
SOD-80C#1 [mm]
  rect 1.2x1.6 smd: 1(3.4,0) 2(0,0)
  silkscreen extent -1.12,-1.2 5.4,1.2, body extent 0,-0.8 3.4,0.8, height 1.55
SOD-80C#2 [mm]
  rect 1.2x1.6 smd: 1(0,0) 2(3.4,0)
  silkscreen extent -1.12,-1.2 5.4,1.2, body extent 0,-0.8 3.4,0.8, height 1.55
SOIC8E [mm]
  rect 1.8x0.55 smd: 1(-3,1.905)
  oval 1.8x0.55 smd: 2(-3,0.635) 3(-3,-0.635) 4(-3,-1.905) 5(3,-1.905) 6(3,-0.635) 7(3,0.635) 8(3,1.905)
  rect 2.5x3.3 smd: 2(0,0)
  silkscreen extent -1.88,-2.54 1.88,2.54, body extent -1.97,-2.65 1.97,2.63, height 1.4
SOT23 [mm]
  rect 1x1 smd: 1(0,0) 2(1.905,0)
  rect 1x1.3 smd: 3(0.965,2.032)
  silkscreen extent -0.51,-0.13 2.41,2.16, body extent -0.51,-0.33 2.44,2.44, height 1.1
SOT89 [mm]
  rect 0.7x1.35 smd: 1(0,0) 3(3,0)
  rect 0.7x1.8 smd: 2(1.5,0.225)
  oct 1.9x3.3 smd: 2(1.5,2.775)
  silkscreen extent -1,-0.81 4,4.57, body extent -0.75,-0.07 3.75,3.88, height 1.5
SOT-23 [mm]
  rect 1x1 smd: 1(0,0) 3(1.905,0)
  rect 1x1.3 smd: 2(0.965,2.032)
  silkscreen extent -0.51,-0.13 2.41,2.16, body extent -0.62,-0.28 2.5,2.37, height 0.5
SOT-223#1 [mm]
  rect 1.1x2.15 smd: 1(0,0) 2(2.3,0) 3(4.6,0)
  rect 3.5x2.15 smd: 2(2.3,6.2)
  silkscreen extent -1.05,-1.75 5.65,4.72
SOT-223#2 [mm]
  rect 1.1x2.15 smd: 1(0,0) 2(2.3,0) 3(4.6,0)
  rect 3.5x2.15 smd: 4(2.3,6.2)
  silkscreen extent -1.05,-1.75 5.65,4.72
SOT-263-5 [mm]
  rect 4.5x1 smd: 1(0,0) 2(0,1.7) 3(0,3.4) 4(0,5.1) 5(0,6.8)
  rect 9x9 smd: 3(-10.1,3.4)
  silkscreen extent -15,-1.7 -4,8.6, body extent -13.77,-1.63 0,8.55, height 4.8
SOT-457 [mm]
  rect 0.5x1.27 smd: 1(0.012,0.006) 2(0.962,0.006) 3(1.912,0.006) 4(1.912,3.156) 5(0.962,3.156) 6(-0.013,3.156)
  silkscreen extent -0.64,0.76 2.59,2.43, body extent -0.63,0 2.58,3.2, height 0.5
SS0603 [mm]
  rect 2x2.5 smd: 1(-3,-0.127) 2(3,-0.127)
  silkscreen extent -3.25,-3.38 3.25,3.12, body extent -3.25,-3.38 3.25,3.12, height 3.2
Switch-1 [mm]
  oval 2.4x2 hole 1.2 slot 1.6 at 0 deg: 1(-6,0) 1(0,0) 2(-6,4.6) 2(0,4.6)
  silkscreen extent -8,-2 1.83,6.5, body extent -7.01,-1.01 1.01,5.61, height 7
TP [mm]
  round 1 smd: 1(0,0)